# KiCad board OSO-SWAT-C1-rounded.kicad_pcb
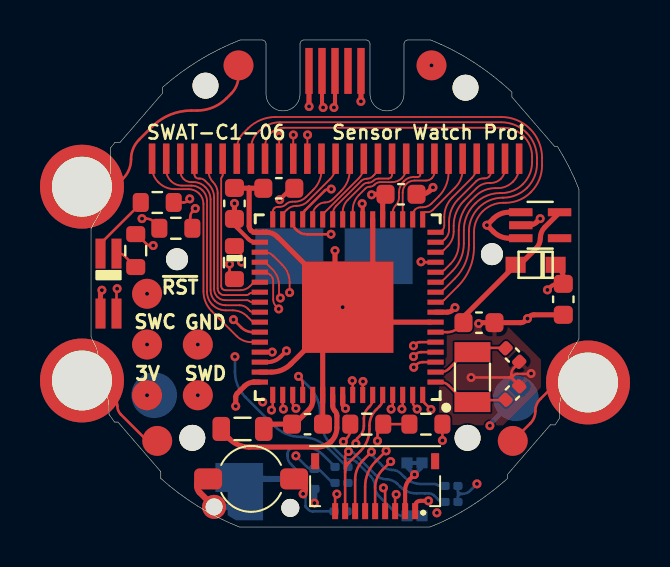
[diagram p0: board, top side]
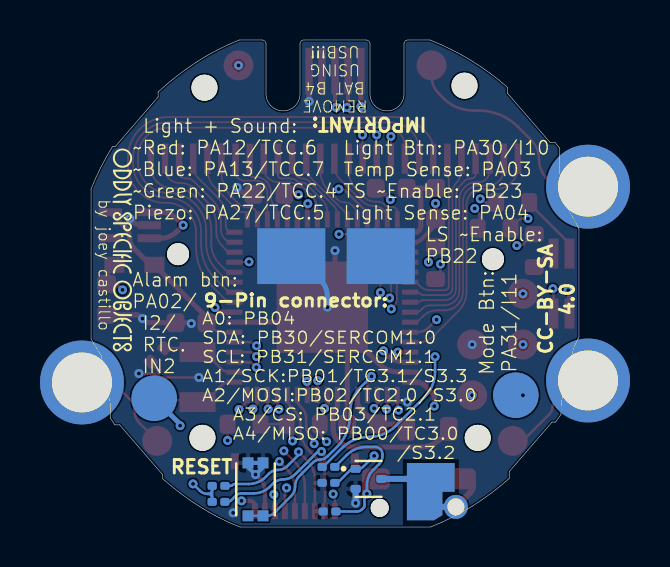
[diagram p1: board, bottom side, seen from below]

Outline 24.4 x 24.38 mm; copper layers: Top, In1.Cu, In2.Cu, Bottom. Coordinates in mm from the lower left corner of the outline.
Stack: Top 0.035mm / dielectric 0.15mm FR4 er 4.5 / In1.Cu 0.035mm / dielectric 0.15mm FR4 er 4.5 / In2.Cu 0.035mm / dielectric 0.15mm FR4 er 4.5 / Bottom 0.035mm

## Placement (name value [footprint] x y rotation side)
C1  10uF  [C_0603_1608Metric]  23.62 11.4 270 top
C2  0.1uF  [C_0201_0603Metric]  12.47 0.78 0 bottom
C3  0.1uF  [C_0603_1608Metric]  7.17 16.2 90 top
C4  0.1uF  [C_0603_1608Metric]  15.5 16.66 0 top
C5  1uF  [C_0603_1608Metric]  10.82 5.15 0 top
C6  1uF  [C_0603_1608Metric]  9.39 16.96 180 top
C7  22pf  [C_0402_1005Metric]  21.07 6.71 45 top
C8  22pf  [C_0402_1005Metric]  21.07 8.61 315 top
C9  1uF  [C_0603_1608Metric]  19.4 10.23 0 top
D1  SCHOTTKY  [SOD-323F]  22.23 13.13 0 top
D2  QBLP655-RGB  [LED_QBLP655_RGB]  0.87 12.19 90 top
G***  -  [LOGO]  22.83 13.85 270 bottom
J1  OSO_SWD  [OSO_SWD_2x3]  4.07 9.14 0 top
J2  FH19C-9S-0.5SH_10_  [FH19C9S05SH10]  14.21 3.3 180 top
L1  10uH  [L_0805_2012Metric]  7.57 4.91 180 top
L2  14 mH  [ELT3KN]  8 2.41 0 top
Q1  Q_Photo_NPN  [R_0603_1608Metric]  7.17 13.24 270 top
Q2  Q_NMOS_GSD  [SOT-523]  10.52 2.41 180 bottom
R1  10K  [R_0201_0603Metric]  12.52 3.01 0 bottom
R2  10K  [R_0201_0603Metric]  12.52 2.21 0 bottom
R3  10K  [R_0201_0603Metric]  18.02 1.26 180 bottom
R4  10K  [R_0201_0603Metric]  18.02 2.06 180 bottom
R6  1K  [R_0603_1608Metric]  2.23 13.84 270 top
R7  100  [R_0603_1608Metric]  3.31 16.25 180 top
R8  100  [R_0603_1608Metric]  4.24 14.95 180 top
R10  10K THERM  [R_0603_1608Metric]  16.75 5.15 180 top
R11  10K 0.1%  [R_0603_1608Metric]  13.79 5.15 180 top
RESET0  EVP-BB1AAB000  [SW_EVP-BB1AAB000]  16.17 1.89 270 bottom
TP1  MICROBUILDER_TESTPOINTROUND1.5MM  [MICROBUILDER_TESTPOINT_ROUND_1.5MM]  17.03 23.11 0 top
TP8  MICROBUILDER_TESTPOINTROUND1.5MM  [MICROBUILDER_TESTPOINT_ROUND_1.5MM]  7.37 23.11 180 top
TP9  MICROBUILDER_TESTPOINTROUND1.5MM  [MICROBUILDER_TESTPOINT_ROUND_1.5MM]  3.31 4.31 180 top
TP10  MICROBUILDER_TESTPOINTROUND1.5MM  [MICROBUILDER_TESTPOINT_ROUND_1.5MM]  21.09 4.31 180 top
U1  ATSAML22J18A-MUT  [QFN64_9X9MC_MCH]  12.84 11 180 top
U2  MIC5365-3.3YC5-TR  [SOT65P210X110-5N]  22.46 15.11 0 top
U$2  SENSOR-WATCH-USB  [CASIO-F91W-OUTLINE-USB]  12.2 12.19 0 top
X1  Crystal  [Crystal_SMD_3215-2Pin_3.2x1.5mm]  19.07 7.5 90 top

## Library data of the parts
Q2 = -: Description: N-MOSFET transistor, gate/source/drain
R2 = -: Description: Resistor; ki_fp_filters: R_*
X1 = -: ki_fp_filters: Crystal*

## Footprints (pads in the part's own frame, mm; a bottom-side part is the same pattern mirrored in y, then rotated)
C_0201_0603Metric
  rrect 0.318x0.36 smd: (-0.345,0) (0.345,0)
  rrect 0.46x0.4 smd: 1(-0.32,0) 2(0.32,0)
C_0402_1005Metric
  rrect 0.56x0.62 smd: 1(-0.48,0) 2(0.48,0)
C_0603_1608Metric
  rrect 0.9x0.95 smd: 1(-0.775,0) 2(0.775,0)
CASIO-F91W-OUTLINE-USB
  round 1.1 hole 1.1 unplated: (-7.899,1.219) (7.849,1.473)
  round 1.3 hole 1.3 unplated: (-7.137,-7.722) (-6.477,9.906) (6.528,9.804) (6.629,-7.722)
  round 0.9 hole 0.9 unplated: (-2.235,-11.227)
  rect 0.326x1.52 smd: 1(-9.148,6.25) 2(-8.442,6.25) 3(-7.736,6.25) 4(-7.03,6.25) 5(-6.324,6.25) 6(-5.618,6.25) 7(-4.912,6.25) 8(-4.206,6.25) 9(-3.5,6.25) 10(-2.794,6.25) 11(-2.088,6.25) 12(-1.382,6.25) 13(-0.676,6.25) 14(0.03,6.25) 15(0.736,6.25) 16(1.442,6.25) 17(2.148,6.25) 18(2.854,6.25) 19(3.56,6.25) 20(4.266,6.25) 21(4.972,6.25) 22(5.678,6.25) 23(6.384,6.25) 24(7.09,6.25) 25(7.796,6.25) 26(8.502,6.25) 27(9.208,6.25)
  round 4.2 hole 3: ALARM(12.654,-4.95) LIGHT(-12.654,4.85) MODE(-12.654,-4.85)
  round 1.2 hole 0.85: BUZZER(-6.045,-11.176)
  rect 0.37x2.3 smd: GND(1.3,10.644) USB_ID(0.65,10.644) USB_N(-0.65,10.644) USB_P(0,10.644) VBUS(-1.3,10.644)
  rect 3.404x2.794 smd far side: GND1(-2.286,1.372) GND2(2.184,1.372)
  rrect 2.286x2.286 smd far side: VCC1(-9.042,-5.588) VCC2(9.042,-5.74)
Crystal_SMD_3215-2Pin_3.2x1.5mm
  rect 1x1.8 smd: 1(1.25,0) 2(-1.25,0)
ELT3KN
  rrect 1.4x1.05 smd: 1(-2.15,0) 2(2.15,0)
FH19C9S05SH10
  rect 0.3x0.8 smd: 1(-2,2.5) 2(-1.5,2.5) 3(-1,2.5) 4(-0.5,2.5) 5(0,2.5) 6(0.5,2.5) 7(1,2.5) 8(1.5,2.5) 9(2,2.5)
  rect 0.4x0.8 smd: MP1(-3,0) MP2(3,0)
L_0805_2012Metric
  rrect 0.875x1.2 smd: 1(-1.062,0) 2(1.062,0)
LED_QBLP655_RGB
  rect 1.5x0.5 smd: 1(1.5,0.4) 2(-1.5,0.4) 3(-1.5,-0.4) 4(1.5,-0.4)
MICROBUILDER_TESTPOINT_ROUND_1.5MM
  rrect 1.5x1.5 smd: P$1(0,0)
OSO_SWD_2x3
  round 1.5 smd: 1(1.27,-2.54) 2(1.27,0) 3(-1.27,-2.54) 4(-1.27,0) 5(-1.27,2.54)
QFN64_9X9MC_MCH
  rect 0.813x0.254 smd: 1(-4.394,3.75) 2(-4.394,3.25) 3(-4.394,2.75) 4(-4.394,2.25) 5(-4.394,1.75) 6(-4.394,1.25) 7(-4.394,0.75) 8(-4.394,0.25) 9(-4.394,-0.25) 10(-4.394,-0.75) 11(-4.394,-1.25) 12(-4.394,-1.75) 13(-4.394,-2.25) 14(-4.394,-2.75) 15(-4.394,-3.25) 16(-4.394,-3.75) 33(4.394,-3.75) 34(4.394,-3.25) 35(4.394,-2.75) 36(4.394,-2.25) 37(4.394,-1.75) 38(4.394,-1.25) 39(4.394,-0.75) 40(4.394,-0.25) 41(4.394,0.25) 42(4.394,0.75) 43(4.394,1.25) 44(4.394,1.75) 45(4.394,2.25) 46(4.394,2.75) 47(4.394,3.25) 48(4.394,3.75)
  rect 0.254x0.813 smd: 17(-3.75,-4.394) 18(-3.25,-4.394) 19(-2.75,-4.394) 20(-2.25,-4.394) 21(-1.75,-4.394) 22(-1.25,-4.394) 23(-0.75,-4.394) 24(-0.25,-4.394) 25(0.25,-4.394) 26(0.75,-4.394) 27(1.25,-4.394) 28(1.75,-4.394) 29(2.25,-4.394) 30(2.75,-4.394) 31(3.25,-4.394) 32(3.75,-4.394) 49(3.75,4.394) 50(3.25,4.394) 51(2.75,4.394) 52(2.25,4.394) 53(1.75,4.394) 54(1.25,4.394) 55(0.75,4.394) 56(0.25,4.394) 57(-0.25,4.394) 58(-0.75,4.394) 59(-1.25,4.394) 60(-1.75,4.394) 61(-2.25,4.394) 62(-2.75,4.394) 63(-3.25,4.394) 64(-3.75,4.394)
  rect 4.572x4.572 smd: 65(0,0)
R_0201_0603Metric
  rrect 0.318x0.36 smd: (-0.345,0) (0.345,0)
  rrect 0.46x0.4 smd: 1(-0.32,0) 2(0.32,0)
R_0603_1608Metric
  rrect 0.8x0.95 smd: 1(-0.825,0) 2(0.825,0)
SOD-323F
  rect 1x0.8 smd: A(-1,0) C(1,0)
SOT65P210X110-5N
  rect 1.17x0.4 smd: 1(-0.97,0.65) 2(-0.97,0) 3(-0.97,-0.65) 4(0.97,-0.65) 5(0.97,0.65)
SOT-523
  rrect 0.51x0.4 smd: 1(-0.645,0.5) 2(-0.645,-0.5) 3(0.645,0)
SW_EVP-BB1AAB000
  rect 0.55x0.55 smd: A1(-1.325,0.375) A2(-1.325,-0.375) B1(1.325,0.375) B2(1.325,-0.375)

## Nets
+3V3: C9.1 D1.A U1.6 U2.5
/VDDCORE: C5.1 L1.1 U1.53
/VDDOUT: L1.2 U1.55
GND: C1.2 C2.2 C3.2 C4.2 C5.2 C6.2 C7.2 C8.2 C9.2 J1.2 J2.2 Q2.2 R2.2 RESET0.A1 RESET0.A2 U1.7 U1.22 U1.33 U1.47 U1.54 U1.65 U2.2 U$2.GND U$2.GND1 U$2.GND2
VBUS: U2.1 U2.3 U$2.VBUS
VCC: C1.1 C2.1 C3.1 C4.1 D1.C D2.2 J1.3 J2.1 L2.2 R1.1 R3.1 R4.1 R10.1 U1.8 U1.21 U1.34 U1.48 U1.56 U$2.VCC1 U$2.VCC2
/A0: J2.9 U1.5
/A1_SCK: J2.6 U1.62
/A2_MOSI: J2.5 U1.63
/A3/D0/CS: J2.4 U1.64
/A4/D1/MISO: J2.3 U1.61
/ALARM: TP10.P$1 U1.3 U$2.ALARM
/BUZZER: Q2.1 R2.1 U1.51
/BUZZER_HV: L2.1 Q2.3 U$2.BUZZER
/COM0: U1.9 U$2.7
/COM1: U1.10 U$2.8
/COM2: U1.11 U$2.9
/LIGHTSENSE: Q1.1 R1.2 U1.13
/SCL: J2.8 R3.2 U1.60
/SDA: J2.7 R4.2 U1.59
/SEG0: U1.12 U$2.27
/SEG1: U1.14 U$2.26
/SEG2: U1.15 U$2.25
/SEG3: U1.16 U$2.24
/SEG4: U1.17 U$2.23
/SEG5: U1.18 U$2.22
/SEG6: U1.19 U$2.21
/SEG7: U1.20 U$2.20
/SEG8: U1.24 U$2.19
/SEG9: U1.25 U$2.18
/SEG10: U1.26 U$2.17
/SEG11: U1.27 U$2.16
/SEG12: U1.28 U$2.15
/SEG13: U1.31 U$2.14
/SEG14: U1.32 U$2.13
/SEG15: U1.35 U$2.12
/SEG16: U1.36 U$2.11
/SEG17: U1.37 U$2.10
/SEG18: U1.38 U$2.6
/SEG19: U1.39 U$2.5
/SEG20: U1.40 U$2.4
/SEG21: U1.41 U$2.3
/SEG22: U1.42 U$2.2
/SEG23: U1.44 U$2.1
/SWCLK_LIGHT: J1.4 TP8.P$1 U1.57 U$2.LIGHT
/SWDIO_MODE: J1.1 TP9.P$1 U1.58 U$2.MODE
/TEMPSENSE: R10.2 R11.1 U1.4
/USB_N: U1.45 U$2.USB_N
/USB_P: U1.46 U$2.USB_P
/VLCD: C6.1 TP1.P$1 U1.23
/XIN32: C7.1 U1.1 X1.2
/XOUT32: C8.1 U1.2 X1.1
/~{BLUE}: R8.1 U1.30
/~{GREEN}: R6.1 U1.43
/~{LS_ENABLE}: Q1.2 U1.49
/~{RED}: R7.1 U1.29
/~{RESET}: J1.5 RESET0.B1 RESET0.B2 U1.52
/~{TS_ENABLE}: R11.2 U1.50
Net-(D2A-CR): D2.1 R7.2
Net-(D2B-CG): D2.4 R6.2
Net-(D2C-CB): D2.3 R8.2

Pads without a net: J2 MP1 MP2; U2 4; U$2 USB_ID

## Via types
v1: diameter 0.45, hole 0.2, Top to Bottom, 81 vias

## Routing (per net, layer and track width the routed paths; a pad name or vN(x,y) marks a point on that pad's centre or on a via; arc(x,y) is an arc through that point)
+3V3: length 9.3
  Top w0.127: U1.6 17.81,9.75 arc(18.12,9.82) 18.39,9.99 18.53,10.13
  Top w0.254: 18.46,10.47 18.46,10.23 ; U2.5 23.43,15.75 arc(23.43,15.75) 23.43,15.74 22.69,15.01 arc(22.53,14.76) 22.47,14.47 arc(22.41,14.18) 22.25,13.94 21.51,13.2 arc(21.43,13.14) 21.34,13.13 21.24,13.13 arc(21.23,13.12) 21.23,13.12 arc(21.23,13.12) 21.23,13.12 18.72,10.61 arc(18.65,10.5) 18.62,10.37 arc(18.6,10.24) 18.53,10.13
/VDDCORE: length 3.4
  Top w0.254: U1.53 11.09,6.34 arc(11.03,6.08) 10.89,5.87 10.22,5.19 arc(10.17,5.16) 10.11,5.15 9.05,5.15 arc(8.89,5.12) 8.76,5.03 L1.1
/VDDOUT: length 8.3
  Top w0.254: 6.51,4.82 6.92,4.41 arc(7.37,4.11) 7.9,4 11.32,4 arc(11.7,4.08) 12.01,4.29 arc(12.22,4.6) 12.29,4.97 12.29,5.57 arc(12.27,5.7) 12.19,5.82 arc(12.11,5.94) 12.09,6.07 U1.55
GND: length 59.2
  Top w0.127: v1(19.01,7.49) 20.67,7.49 ; 21.43,8.25 21.14,7.96 arc(21.05,7.82) 21.02,7.66 21.02,7.61 ; 21.11,7.4 21.43,7.07 ; 21.11,7.4 arc(21.07,7.49) 21.11,7.58 ; 21.11,7.4 arc(21.01,7.46) 20.89,7.49 ; 21.02,7.61 arc(21.05,7.56) 21.11,7.58 ; 21.02,7.61 arc(20.98,7.52) 20.89,7.49 ; 20.89,7.49 20.71,7.49 ; v1(22.01,7.68) 22,7.67 arc(21.99,7.67) 21.97,7.66 21.32,7.66 arc(21.2,7.64) 21.11,7.58
  Top w0.203: J2.2 15.71,1.83 arc(15.77,2.13) 15.94,2.39 v1(16.17,2.63)
  Top w0.254: U$2.GND 13.5,21.31 arc(13.5,21.31) 13.5,21.31 v1(13.5,21.3) ; v1(12.58,11) 13.83,12.25 ; v1(12.58,11) 12.96,10.63 arc(13.37,10.35) 13.86,10.25 16.98,10.25 ; v1(12.58,11) 12.58,10.88 arc(12.56,10.76) 12.49,10.66 9.99,8.16 arc(9.54,7.86) 9.01,7.75 U1.47 ; v1(12.58,11) 12.58,11.13 arc(12.56,11.25) 12.49,11.36 9.32,14.53 arc(9.07,14.7) 8.77,14.75 8.22,14.75 arc(8.1,14.78) 8,14.85 arc(7.93,14.95) 7.91,15.06 7.91,16.95 arc(7.91,16.95) 7.9,16.96 ; v1(12.58,11) 12.08,10.51 arc(11.71,9.96) 11.59,9.3 U1.54 11.59,5.18 arc(11.59,5.17) 11.59,5.16 C5.2 ; v1(22.46,15.44) 22.3,15.27 arc(22.11,15.15) 21.9,15.11 U2.2 ; U1.22 14.09,13.14 arc(13.92,12.32) 13.46,11.63 13.15,11.32 ; 13.15,11.32 12.52,10.69 ; 13.15,11.32 arc(12.84,11.19) 12.52,11.32 ; 12.52,10.69 11.59,9.75 ; 12.52,10.69 arc(12.65,11) 12.52,11.32 ; 7.89,16.96 7.17,16.96 ; 7.89,16.96 7.9,16.96 ; 7.89,16.96 arc(7.9,16.96) 7.9,16.96 ; v1(12.2,13.84) 12.2,12.09 arc(12.28,11.67) 12.52,11.32 ; 7.9,16.96 8.16,16.96 ; 7.9,16.96 arc(7.9,16.96) 7.9,16.96 ; C1.2 22.15,10.62 arc(22.03,10.6) 21.92,10.53 v1(21.83,10.43) 21.73,10.33 arc(21.61,10.26) 21.48,10.23 19.46,10.23 arc(19.43,10.22) 19.41,10.21 v1(19.39,10.19) ; 16.26,16.66 16.51,16.66 arc(16.74,16.7) 16.93,16.83 v1(17.1,17)
  Bottom w0.127: 12.84,0.83 C2.2
  Bottom w0.203: 15.9,3.21 16.45,3.21 arc(16.52,3.18) 16.55,3.11 arc(16.53,3.01) 16.48,2.93 v1(16.17,2.63) 15.87,2.93 arc(15.82,3.01) 15.8,3.11 arc(15.83,3.18) 15.9,3.21
  Bottom w0.254: U$2.GND2 14.24,13.56 arc(14.12,13.53) 14.01,13.46 12.94,12.4 arc(12.68,11.99) 12.58,11.52 v1(12.58,11)
  Bottom w0.305: v1(11.17,1.2) Q2.2
  vias: v1(5.34,9.14) v1(8.58,6.26) v1(17.29,0.71)
VBUS: length 17.1
  Top w0.254: v1(10.9,21.05) 10.9,21.05 arc(10.9,21.06) 10.9,21.06 U$2.VBUS ; U2.3 20.91,14.46 arc(20.48,14.54) 20.12,14.78 v1(19.79,15.11) 20.12,15.43 arc(20.48,15.67) 20.9,15.76 U2.1
  In1.Cu w0.254: v1(10.9,21.05) 10.9,20.94 arc(10.93,20.83) 10.99,20.74 11.56,20.17 arc(12.28,19.68) 13.14,19.51 14.12,19.51 arc(15.89,19.16) 17.38,18.16 19.57,15.98 arc(19.74,15.73) 19.79,15.43 v1(19.79,15.11)
VCC: length 26.5
  Top w0.127: v1(17.57,4.34) R10.1
  Top w0.203: C1.1 23.34,12.17 arc(23.14,12.13) 22.98,12.02 v1(22.82,11.87) ; J2.1 16.21,1.05 arc(16.28,1.23) 16.46,1.31 v1(16.87,1.31) ; U1.34 8.23,14.25 arc(8.04,14.29) 7.88,14.4 7.28,15 arc(7.2,15.12) 7.17,15.27
  Top w0.254: v1(12.72,5.94) 12.65,6.01 arc(12.6,6.08) 12.59,6.17 U1.56 ; U1.48 8.16,7.25 arc(7.9,7.2) 7.68,7.06 7.31,6.69 arc(7.25,6.6) 7.23,6.5 v1(7.23,6.05) ; 7.17,15.27 v1(7.17,16.2) ; 23.62,12.22 23.62,12.48 arc(23.57,12.72) 23.43,12.92 D1.C ; U1.21 14.59,16.41 arc(14.6,16.51) 14.66,16.59 C4.1 ; D2.2 0.47,11.74 arc(0.48,11.78) 0.51,11.82 v1(0.54,11.86) ; 10.15,2.31 10.15,2.36 arc(10.17,2.4) 10.2,2.41 10.62,2.41 arc(10.66,2.4) 10.69,2.38 arc(10.72,2.35) 10.72,2.31 10.72,1.87 arc(10.71,1.79) 10.66,1.72 v1(10.6,1.66) ; 14.74,16.66 14.07,16.66 arc(14.06,16.65) 14.04,16.64 v1(14.03,16.63) ; v1(18.2,10.99) 18.08,10.87 arc(17.96,10.78) 17.81,10.75 U1.8 ; 3.16,6.6 U$2.VCC1
  Bottom w0.127: 18.34,1.86 18.34,2.09 ; 18.34,1.86 18.34,1.46 ; 18.34,1.86 arc(18.4,1.72) 18.54,1.66 ; 18.34,1.46 R3.1 ; 18.34,1.46 arc(18.4,1.6) 18.54,1.66 ; R1.1 11.61,3.6 arc(11.16,3.9) 10.62,4.01 10.2,4.01 arc(10.06,3.98) 9.93,3.9 arc(9.85,3.78) 9.82,3.64 9.82,3.56 arc(9.87,3.34) 9.99,3.15 10.29,2.85 arc(10.52,2.51) 10.6,2.1 v1(10.6,1.66) 10.66,1.6 arc(10.71,1.53) 10.72,1.46 10.72,1.05 arc(10.73,1.02) 10.75,0.99 10.87,0.87 arc(10.97,0.8) 11.09,0.78 C2.1 ; 18.54,1.66 18.57,1.66 arc(18.78,1.7) 18.96,1.82 v1(19.3,2.16)
  Bottom w0.254: U$2.VCC2 19.97,5.18 arc(19.95,5.15) 19.95,5.11 v1(19.95,5.07) ; v1(2.8,6.6) 2.8,6.6
/A0: length 10.5
  Top w0.127: v1(16.12,9.07) 16.21,9.16 arc(16.32,9.23) 16.44,9.25 16.98,9.25 ; J2.9 12.21,1.5 arc(12.22,1.56) 12.25,1.61 v1(12.29,1.65)
  In1.Cu w0.127: v1(12.29,1.65) 12.71,2.07 arc(12.89,2.34) 12.95,2.66 arc(13.02,2.97) 13.2,3.24 13.29,3.33 arc(13.53,3.7) 13.62,4.14 13.62,5.15 arc(13.84,6.24) 14.45,7.17 15.21,7.92 arc(15.27,8.01) 15.29,8.12 arc(15.31,8.23) 15.37,8.32 v1(16.12,9.07)
/A1_SCK: length 6.4
  Top w0.127: v1(14.76,3.81) 14.23,3.29 arc(13.84,2.7) 13.71,2.02 J2.6 ; v1(15.54,5.91) 15.56,5.93 arc(15.58,5.95) 15.59,5.98 U1.62
  In1.Cu w0.127: v1(14.76,3.81) 14.76,3.89 arc(14.77,3.96) 14.81,4.02 15.15,4.36 arc(15.44,4.79) 15.54,5.31 v1(15.54,5.91)
/A2_MOSI: length 6.6
  Top w0.127: U1.63 16.09,6.28 arc(16.11,6.14) 16.2,6.01 v1(16.31,5.9) ; v1(14.99,3.28) 14.6,2.89 arc(14.31,2.46) 14.21,1.95 J2.5
  In1.Cu w0.127: v1(14.99,3.28) 15.85,4.14 arc(16.19,4.65) 16.31,5.25 v1(16.31,5.9)
/A3/D0/CS: length 7.1
  Top w0.127: v1(14.62,1.96) 14.67,1.92 arc(14.7,1.87) 14.71,1.82 J2.4 ; U1.64 16.59,6.46 arc(16.61,6.31) 16.69,6.19 v1(17,5.89)
  In1.Cu w0.127: v1(17,5.89) 17.11,5.77 arc(17.2,5.65) 17.23,5.5 17.23,5.13 arc(17.13,4.65) 16.85,4.24 14.64,2.02 arc(14.63,2.01) 14.62,1.98 v1(14.62,1.96)
/A4/D1/MISO: length 6
  Top w0.127: J2.3 15.21,1.54 arc(15.21,1.58) 15.23,1.61 v1(15.26,1.63) ; U1.61 15.09,6.04 arc(15.07,5.98) 15.05,5.94 v1(15.01,5.9)
  In2.Cu w0.127: v1(15.26,1.63) 15.35,1.72 arc(15.42,1.82) 15.44,1.94 15.44,3.45 arc(15.39,3.74) 15.22,3.98 arc(15.06,4.22) 15.01,4.51 v1(15.01,5.9)
/ALARM: length 12.9
  Top w0.127: 23.54,7.48 22.47,6.41 arc(22.29,6.13) 22.22,5.8 arc(22.15,5.47) 21.97,5.19 TP10.P$1 ; 16.98,8.25 16.58,8.25 arc(16.41,8.22) 16.27,8.12 v1(16.14,7.99)
  In2.Cu w0.127: v1(16.14,7.99) 19.26,7.99 arc(19.89,7.87) 20.43,7.51 arc(20.96,7.16) 21.59,7.03 22.77,7.03 arc(23.07,7.09) 23.32,7.26 23.54,7.48
/BUZZER: length 5.6
  Top w0.127: v1(10.24,5.94) 10.16,6.02 arc(10.11,6.11) 10.09,6.21 U1.51
  In1.Cu w0.127: v1(10.24,3.56) v1(10.24,5.94)
  Bottom w0.127: v1(10.24,3.56) 10.8,3.01 arc(10.91,2.94) 11.03,2.91 11.27,2.91 arc(11.37,2.89) 11.45,2.84 12.03,2.26 arc(12.08,2.22) 12.14,2.21 R2.1
/BUZZER_HV: length 7
  Top w0.305: L2.1 5.61,2.41 arc(5.49,2.39) 5.39,2.32 arc(5.33,2.22) 5.3,2.1 5.3,2.05 arc(5.34,1.87) 5.44,1.73 U$2.BUZZER
  Bottom w0.305: Q2.3 8.66,2.41 arc(8.18,2.21) 7.97,1.72 7.97,1.03 ; 8,1.01 U$2.BUZZER
/COM0: length 27.8
  Top w0.089: U1.9 17.39,11.25 arc(17.54,11.28) 17.66,11.37 18.35,12.06 arc(18.94,12.94) 19.15,13.99 19.15,14.76 arc(19.26,15.32) 19.58,15.8 arc(20.06,16.12) 20.62,16.23 20.74,16.23 arc(21.41,16.36) 21.97,16.74 22.01,16.78 arc(22.41,17.38) 22.55,18.1 22.55,18.49 arc(22.4,19.27) 21.96,19.93 arc(21.3,20.37) 20.52,20.52 9.22,20.52 arc(8.48,20.38) 7.86,19.96 7.63,19.73 arc(7.38,19.35) 7.29,18.91 U$2.7
/COM1: length 25.9
  Top w0.089: U$2.8 7.99,18.92 arc(8.08,19.37) 8.34,19.75 8.42,19.84 arc(8.89,20.15) 9.45,20.26 20.52,20.26 arc(21.2,20.12) 21.78,19.74 arc(22.16,19.16) 22.3,18.48 22.3,18.18 arc(22.17,17.53) 21.81,16.98 arc(21.26,16.61) 20.61,16.49 20.59,16.49 arc(19.94,16.36) 19.39,15.99 arc(19.03,15.44) 18.9,14.79 18.9,14.12 arc(18.72,13.22) 18.2,12.45 17.61,11.85 arc(17.5,11.78) 17.37,11.75 U1.10
/COM2: length 24.2
  Top w0.089: U$2.9 8.7,19.04 arc(8.77,19.4) 8.98,19.71 arc(9.29,19.91) 9.65,19.99 20.62,19.99 arc(21.17,19.88) 21.63,19.56 arc(21.95,19.1) 22.06,18.55 22.06,18.26 arc(21.94,17.67) 21.6,17.17 arc(21.1,16.83) 20.51,16.71 20.44,16.71 arc(19.79,16.58) 19.24,16.21 19.19,16.17 arc(18.78,15.56) 18.64,14.85 18.64,14.19 arc(18.5,13.45) 18.08,12.82 17.61,12.35 arc(17.5,12.28) 17.37,12.25 U1.11
/LIGHTSENSE: length 24.5
  Top w0.127: v1(7.52,13.26) 7.52,13.48 arc(7.48,13.69) 7.37,13.86 Q1.1 ; U1.13 16.54,13.25 arc(16.52,13.26) 16.51,13.27 v1(16.5,13.28)
  Top w0.254: 7.2,14.25 7.17,14.23
  In1.Cu w0.127: v1(7.2,8.53) 7.6,8.93 arc(7.9,9.38) 8.01,9.92 8.01,12.43 arc(7.95,12.75) 7.77,13.02 v1(7.52,13.26) 7.57,13.31 arc(7.62,13.34) 7.68,13.35 16.37,13.35 arc(16.42,13.34) 16.46,13.32 v1(16.5,13.28)
  Bottom w0.127: R1.2 12.82,3.01 arc(12.8,3.01) 12.78,3.03 11.85,3.95 arc(11.23,4.37) 10.5,4.51 arc(9.77,4.66) 9.15,5.07 7.73,6.5 arc(7.33,7.08) 7.2,7.78 v1(7.2,8.53)
/SCL: length 13.5
  Top w0.127: 12.71,2.75 J2.8 ; 12.71,2.75 12.71,3.33 ; 12.71,2.75 arc(12.76,3.02) 12.91,3.24 ; 12.91,3.24 13.47,3.8 arc(13.81,4.31) 13.92,4.9 13.92,5.07 arc(14.01,5.5) 14.25,5.87 14.44,6.06 arc(14.55,6.22) 14.59,6.41 U1.60 ; 12.91,3.24 arc(12.78,3.22) 12.71,3.33 ; 12.71,3.33 12.71,3.49 arc(12.73,3.6) 12.79,3.7 v1(12.88,3.78)
  Bottom w0.127: R3.2 17.59,1.26 arc(17.48,1.28) 17.39,1.34 17.16,1.57 arc(17.03,1.66) 16.88,1.69 16.72,1.69 arc(16.72,1.69) 16.72,1.69 arc(16.72,1.69) 16.71,1.69 16.26,1.69 arc(15.83,1.77) 15.47,2.01 15.32,2.16 arc(15.06,2.33) 14.77,2.39 arc(14.47,2.45) 14.22,2.62 13.12,3.72 arc(13.05,3.77) 12.96,3.78 v1(12.88,3.78)
/SDA: length 11.2
  Top w0.127: v1(14.02,3.76) 13.61,3.35 arc(13.31,2.9) 13.21,2.37 J2.7 ; U1.59 14.09,6.4 arc(14.05,6.21) 13.94,6.04 13.86,5.97 arc(13.7,5.73) 13.64,5.44 13.64,5.05 arc(13.59,4.79) 13.44,4.56 13.31,4.43 arc(13.26,4.36) 13.24,4.27 v1(13.24,4.18)
  In2.Cu w0.127: v1(14.02,3.76) 13.93,3.76 arc(13.85,3.78) 13.79,3.82 13.5,4.11 arc(13.43,4.16) 13.34,4.18 v1(13.24,4.18)
  Bottom w0.127: v1(14.02,3.76) 14.02,3.69 arc(14.04,3.62) 14.08,3.56 14.58,3.05 arc(14.8,2.91) 15.04,2.86 arc(15.29,2.81) 15.51,2.67 15.67,2.51 arc(16.06,2.25) 16.52,2.15 17.21,2.15 arc(17.27,2.14) 17.32,2.11 arc(17.37,2.07) 17.43,2.06 R4.2
/SEG0: length 8
  Top w0.089: U1.12 17.39,12.75 arc(17.55,12.79) 17.68,12.87 17.97,13.17 arc(18.28,13.63) 18.39,14.17 18.39,14.85 arc(18.55,15.66) 19.01,16.34 19.22,16.56 arc(19.67,16.86) 20.2,16.96 20.33,16.96 arc(20.74,17.04) 21.09,17.28 21.11,17.3 arc(21.33,17.63) 21.41,18.01 U$2.27
/SEG1: length 6.5
  Top w0.089: U1.14 17.38,13.75 arc(17.52,13.78) 17.64,13.86 17.83,14.06 arc(18.06,14.39) 18.13,14.79 18.13,15.09 arc(18.27,15.76) 18.65,16.33 19.28,16.96 arc(19.57,17.15) 19.91,17.22 19.99,17.22 arc(20.26,17.28) 20.49,17.43 arc(20.65,17.66) 20.7,17.93 U$2.26
/SEG2: length 5.6
  Top w0.089: U1.15 17.38,14.25 arc(17.53,14.28) 17.65,14.36 17.72,14.44 arc(17.86,14.64) 17.91,14.88 17.91,15.29 arc(18.03,15.9) 18.38,16.42 19.26,17.31 arc(19.42,17.41) 19.61,17.45 19.69,17.45 arc(19.81,17.47) 19.91,17.54 arc(19.97,17.64) 20,17.76 U$2.25
/SEG3: length 4.6
  Top w0.089: U$2.24 19.29,18.08 arc(19.22,17.74) 19.04,17.46 18.07,16.5 arc(17.77,16.05) 17.66,15.52 17.66,15.09 arc(17.64,14.96) 17.57,14.85 17.55,14.84 arc(17.46,14.78) 17.35,14.75 U1.16
/SEG4: length 4
  Top w0.089: U$2.23 18.58,17.9 arc(18.49,17.41) 18.21,16.99 17.09,15.87 arc(16.97,15.79) 16.83,15.76 16.74,15.76 arc(16.68,15.75) 16.63,15.72 arc(16.6,15.67) 16.59,15.61 U1.17
/SEG5: length 4
  Top w0.089: U1.18 16.09,15.61 arc(16.12,15.76) 16.2,15.89 arc(16.33,15.97) 16.48,16 16.58,16 arc(16.82,16.05) 17.02,16.19 17.39,16.55 arc(17.75,17.09) 17.88,17.74 U$2.22
/SEG6: length 4.2
  Top w0.089: U$2.21 17.17,17.76 arc(17.14,17.6) 17.05,17.47 arc(16.91,17.37) 16.75,17.34 16.18,17.34 arc(15.95,17.3) 15.76,17.17 arc(15.63,16.97) 15.59,16.75 U1.19
/SEG7: length 3.8
  Top w0.089: U1.20 15.09,15.73 arc(15.13,15.94) 15.24,16.11 arc(15.36,16.28) 15.4,16.49 15.4,16.74 arc(15.46,17.04) 15.63,17.29 15.66,17.33 arc(15.87,17.47) 16.12,17.52 16.34,17.52 arc(16.39,17.53) 16.43,17.56 arc(16.46,17.6) 16.47,17.65 U$2.20
/SEG8: length 4.8
  Top w0.089: U1.24 13.09,15.85 arc(13.17,16.27) 13.41,16.63 13.72,16.94 arc(13.82,17.01) 13.94,17.04 arc(14.07,17.06) 14.17,17.13 14.19,17.15 arc(14.32,17.23) 14.47,17.26 15.06,17.26 arc(15.33,17.32) 15.55,17.47 arc(15.71,17.7) 15.76,17.97 U$2.19
/SEG9: length 4.6
  Top w0.089: U1.25 12.59,15.76 arc(12.65,16.09) 12.84,16.38 13.59,17.12 arc(13.71,17.21) 13.86,17.24 13.88,17.24 arc(14.01,17.26) 14.13,17.34 arc(14.24,17.41) 14.38,17.44 14.86,17.44 arc(14.93,17.46) 15,17.5 arc(15.04,17.56) 15.05,17.63 U$2.18
/SEG10: length 4.1
  Top w0.089: U$2.17 14.35,18.08 arc(14.3,17.83) 14.16,17.62 14.1,17.56 arc(13.96,17.47) 13.8,17.44 arc(13.63,17.4) 13.5,17.31 12.26,16.08 arc(12.13,15.88) 12.09,15.65 U1.26
/SEG11: length 3.8
  Top w0.089: U1.27 11.59,15.53 arc(11.61,15.64) 11.67,15.74 13.39,17.45 arc(13.58,17.74) 13.64,18.07 U$2.16
/SEG12: length 3.9
  Top w0.089: U$2.15 12.94,17.85 arc(12.83,17.3) 12.52,16.84 12.09,16.41 arc(11.91,16.29) 11.71,16.25 arc(11.5,16.21) 11.32,16.09 11.24,16.01 arc(11.13,15.83) 11.09,15.62 U1.28
/SEG13: length 4.4
  Top w0.089: U1.31 9.59,15.54 arc(9.61,15.67) 9.68,15.78 9.79,15.88 arc(10.01,16.03) 10.27,16.08 10.3,16.08 arc(10.59,16.14) 10.84,16.3 11.97,17.43 arc(12.16,17.72) 12.23,18.06 U$2.14
/SEG14: length 4.5
  Top w0.089: U$2.13 11.52,17.86 arc(11.42,17.33) 11.12,16.88 10.75,16.51 arc(10.5,16.34) 10.2,16.29 10.07,16.29 arc(9.9,16.25) 9.75,16.16 arc(9.61,16.06) 9.44,16.03 9.34,16.03 arc(9.24,16.01) 9.16,15.95 arc(9.1,15.87) 9.09,15.77 U1.32
/SEG15: length 13.2
  Top w0.089: v1(10.83,19.63) 10.82,19.62 arc(10.82,19.62) 10.82,19.61 U$2.12 ; U1.35 8.69,13.75 arc(8.91,13.71) 9.1,13.58 9.57,13.11 arc(9.84,12.72) 9.93,12.25 v1(9.93,11.74)
  In2.Cu w0.089: v1(10.83,19.63) 9.68,18.48 arc(8.83,17.21) 8.54,15.71 8.54,14.12 arc(8.72,13.21) 9.23,12.43 v1(9.93,11.74)
/SEG16: length 12.6
  Top w0.089: U$2.11 10.11,19.62 arc(10.11,19.62) 10.11,19.63 v1(10.12,19.63) ; v1(9.47,11.46) 9.43,11.5 arc(9.41,11.53) 9.4,11.58 9.4,12.09 arc(9.31,12.54) 9.06,12.91 8.82,13.16 arc(8.71,13.23) 8.58,13.25 U1.36
  In2.Cu w0.089: v1(9.47,11.46) 8.91,12.02 arc(8.5,12.63) 8.36,13.36 8.36,16.56 arc(8.59,17.71) 9.24,18.68 10.09,19.54 arc(10.11,19.57) 10.12,19.6 v1(10.12,19.63)
/SEG17: length 13
  Top w0.089: v1(9.38,10.92) 9.25,11.05 arc(9.15,11.21) 9.11,11.39 9.11,12.28 arc(9.07,12.46) 8.97,12.62 8.97,12.62 arc(8.82,12.72) 8.64,12.75 U1.37 ; v1(9.41,19.55) U$2.10
  In2.Cu w0.089: v1(9.38,10.92) 8.78,11.52 arc(8.34,12.19) 8.18,12.97 8.18,17.46 arc(8.34,18.26) 8.79,18.94 v1(9.41,19.55)
/SEG18: length 8.6
  Top w0.089: U1.38 8.29,12.25 arc(8.16,12.23) 8.05,12.15 7.95,12.05 arc(7.73,11.91) 7.46,11.85 6.72,11.85 arc(6.64,11.87) 6.57,11.92 arc(6.52,11.98) 6.51,12.07 6.51,17.44 arc(6.52,17.49) 6.54,17.53 arc(6.57,17.57) 6.58,17.62 U$2.6
/SEG19: length 9
  Top w0.089: U1.39 8.43,11.74 arc(8.41,11.73) 8.4,11.73 8.05,11.73 arc(7.97,11.71) 7.91,11.67 arc(7.84,11.62) 7.76,11.61 6.67,11.61 arc(6.54,11.63) 6.43,11.71 arc(6.36,11.82) 6.33,11.94 6.33,16.72 arc(6.27,17.01) 6.1,17.26 arc(5.94,17.52) 5.88,17.81 U$2.5
/SEG20: length 9.7
  Top w0.089: U1.40 8.04,11.25 arc(7.98,11.27) 7.92,11.3 arc(7.87,11.34) 7.8,11.35 6.71,11.35 arc(6.5,11.4) 6.32,11.52 arc(6.2,11.7) 6.15,11.91 6.15,16.49 arc(6.08,16.85) 5.87,17.16 5.7,17.34 arc(5.58,17.42) 5.44,17.44 5.38,17.44 arc(5.3,17.46) 5.23,17.5 arc(5.19,17.57) 5.17,17.65 U$2.4
/SEG21: length 10.2
  Top w0.089: 8.19,10.75 8.1,10.75 arc(8.02,10.77) 7.96,10.82 7.84,10.93 arc(7.65,11.06) 7.43,11.1 6.73,11.1 arc(6.44,11.16) 6.2,11.32 arc(6.03,11.57) 5.98,11.85 5.98,16.39 arc(5.91,16.72) 5.72,17.01 5.7,17.03 arc(5.44,17.2) 5.12,17.27 5.01,17.27 arc(4.8,17.31) 4.62,17.43 arc(4.51,17.6) 4.46,17.81 U$2.3
/SEG22: length 11.1
  Top w0.089: 8.19,10.25 8.14,10.25 arc(8.1,10.26) 8.06,10.29 7.8,10.55 arc(7.47,10.77) 7.09,10.85 6.74,10.85 arc(6.38,10.92) 6.07,11.12 arc(5.87,11.43) 5.8,11.79 5.8,16.3 arc(5.74,16.6) 5.57,16.86 arc(5.31,17.03) 5.01,17.09 4.55,17.09 arc(4.25,17.15) 3.99,17.32 arc(3.82,17.58) 3.76,17.88 U$2.2
/SEG23: length 12.5
  Top w0.089: U$2.1 3.05,18.01 arc(3.13,17.61) 3.36,17.27 3.38,17.24 arc(3.75,17) 4.18,16.91 4.88,16.91 arc(5.16,16.86) 5.4,16.69 arc(5.56,16.45) 5.62,16.17 5.62,11.8 arc(5.73,11.26) 6.03,10.81 7.28,9.56 arc(7.62,9.33) 8.01,9.25 U1.44
/SWCLK_LIGHT: length 31.3
  Top w0.127: 1.13,17.85 1.13,17.17 arc(1.09,17) 0.99,16.85 0.85,16.71 ; TP8.P$1 7.37,22.58 arc(7.28,22.1) 7,21.69 6.77,21.45 arc(6.1,21.01) 5.3,20.85 5.01,20.85 arc(3.95,20.64) 3.05,20.03 2.41,19.39 arc(2.11,18.94) 2,18.41 arc(1.89,17.88) 1.59,17.43 0.87,16.71 ; U1.57 13.09,7.29 arc(13.08,7.3) 13.07,7.31 v1(13.06,7.33)
  In1.Cu w0.127: v1(2.8,9.14) 2.95,9.14 arc(3.09,9.11) 3.21,9.03 4.1,8.14 arc(5.21,7.4) 6.51,7.14 12.74,7.14 arc(12.86,7.16) 12.97,7.23 v1(13.06,7.33)
  In2.Cu w0.127: 0.87,16.71 0.67,15.92 arc(0.67,15.91) 0.67,15.9 arc(0.67,15.9) 0.67,15.89 1.36,15.21 arc(1.87,14.45) 2.04,13.55 2.04,10.43 arc(2.14,9.93) 2.42,9.51 v1(2.8,9.14)
/SWDIO_MODE: length 18.6
  Top w0.127: 0.73,7.6 0.88,6.94 arc(0.97,6.7) 1.13,6.49 1.14,6.48 arc(1.27,6.29) 1.31,6.06 arc(1.36,5.83) 1.49,5.63 2.64,4.49 arc(2.83,4.36) 3.06,4.31 TP9.P$1 ; U1.58 13.59,7.26 arc(13.59,7.27) 13.59,7.28 v1(13.6,7.29)
  In1.Cu w0.127: v1(5.34,6.6) 5.46,6.71 arc(5.59,6.8) 5.74,6.83 12.82,6.83 arc(13.12,6.89) 13.37,7.06 v1(13.6,7.29)
  In2.Cu w0.127: v1(5.34,6.6) 4.84,7.1 arc(4.28,7.47) 3.63,7.6 0.72,7.6
/TEMPSENSE: length 8.1
  Top w0.127: v1(16.12,8.53) 16.23,8.64 arc(16.36,8.73) 16.5,8.75 16.98,8.75 ; v1(14.32,4.31) 14.32,4.66 arc(14.36,4.85) 14.47,5.01 arc(14.63,5.11) 14.82,5.15 R10.2
  In1.Cu w0.127: v1(16.12,8.53) 15.8,8.2 arc(15.72,8.09) 15.69,7.95 arc(15.66,7.81) 15.58,7.7 14.87,6.99 arc(14.38,6.25) 14.21,5.37 14.21,4.51 arc(14.22,4.43) 14.27,4.37 v1(14.32,4.31)
/USB_N: length 15.6
  Top w0.203: U1.45 8.44,8.76 arc(8.44,8.76) 8.45,8.76 v1(9.06,8.76) ; v1(11.61,21) 11.58,21.03 arc(11.56,21.06) 11.55,21.09 U$2.USB_N
  In2.Cu w0.203: v1(9.06,8.76) 10,9.69 arc(10.69,10.73) 10.93,11.95 10.93,16.45 arc(11.03,16.98) 11.33,17.42 arc(11.63,17.86) 11.73,18.38 11.73,20.79 arc(11.71,20.87) 11.67,20.94 v1(11.61,21)
/USB_P: length 16.3
  Top w0.203: U$2.USB_P 12.2,21.09 arc(12.19,21.06) 12.17,21.03 v1(12.14,21) ; v1(9.77,8.82) 9.48,8.53 arc(9.18,8.33) 8.82,8.25 U1.46
  In2.Cu w0.203: v1(9.77,8.82) 10.5,9.55 arc(11.04,10.36) 11.23,11.32 11.23,16.27 arc(11.35,16.86) 11.69,17.37 arc(12.03,17.87) 12.14,18.46 v1(12.14,21)
/VLCD: length 14.1
  Top w0.203: v1(9.43,16.39) 9.95,16.9 arc(10.01,16.94) 10.08,16.96 10.15,16.96 ; v1(13.56,16.19) 13.57,16.17 arc(13.58,16.16) 13.59,16.14 U1.23
  In1.Cu w0.203: v1(9.43,16.39) 9.53,16.29 arc(9.64,16.21) 9.77,16.19 v1(13.56,16.19)
  In2.Cu w0.203: v1(13.56,16.19) 13.56,16.52 arc(13.62,16.83) 13.79,17.09 16.04,19.34 arc(16.77,20.43) 17.03,21.71 v1(17.03,23.11)
/XIN32: length 3.8
  Top w0.127: U1.1 17.47,7.25 arc(17.7,7.21) 17.89,7.08 18.52,6.45 arc(18.68,6.34) 18.87,6.3 19.04,6.3 arc(19.07,6.31) 19.1,6.33 arc(19.12,6.35) 19.15,6.35 20.72,6.35
/XOUT32: length 3.9
  Top w0.127: U1.2 17.48,7.75 arc(17.71,7.8) 17.9,7.93 18.53,8.56 arc(18.69,8.67) 18.88,8.7 18.89,8.7 arc(19.06,8.74) 19.21,8.84 arc(19.35,8.94) 19.53,8.97 20.72,8.97
/~{BLUE}: length 10.7
  Top w0.127: v1(12,14.66) 10.78,14.66 arc(10.51,14.71) 10.29,14.86 10.2,14.94 arc(10.12,15.07) 10.09,15.23 U1.30 ; 4.96,14.98 4.96,15.51 arc(4.99,15.68) 5.09,15.82 5.21,15.94 arc(5.21,15.94) v1(5.21,15.94)
  In1.Cu w0.127: v1(12,14.66) 7.41,14.66 arc(6.57,14.82) 5.86,15.3 v1(5.21,15.95)
/~{GREEN}: length 8.4
  Top w0.127: v1(7.12,10.38) 7.5,10 arc(7.77,9.82) 8.09,9.75 U1.43 ; v1(3.11,14.09) 2.98,14.09 arc(2.86,14.11) 2.76,14.18 2.28,14.66
  In1.Cu w0.127: v1(7.12,10.38) 6.65,10.38 arc(6.22,10.47) 5.85,10.71 3.33,13.23 arc(3.17,13.48) 3.11,13.77 v1(3.11,14.09)
/~{LS_ENABLE}: length 9.5
  Top w0.127: U1.49 9.09,5.96 arc(9.08,5.92) 9.05,5.89 v1(9.02,5.86) ; v1(6.92,13.16) 6.92,12.83 arc(6.96,12.67) 7.05,12.53 Q1.2
  In2.Cu w0.127: v1(9.02,5.86) 9.02,6.81 arc(8.85,7.69) 8.35,8.43 8.26,8.52 arc(7.7,9.37) 7.5,10.37 7.5,12.18 arc(7.42,12.56) 7.21,12.87 v1(6.92,13.16)
/~{RED}: length 10.3
  Top w0.127: U1.29 10.59,15.57 arc(10.62,15.72) 10.7,15.86 11.68,16.83 arc(11.77,16.89) 11.89,16.92 v1(12.01,16.92) ; R7.1 4.63,16.25 arc(4.74,16.27) 4.84,16.34 v1(4.94,16.43)
  In1.Cu w0.127: v1(12.01,16.92) 12,16.93 arc(11.99,16.93) 11.98,16.94 5.8,16.94 arc(5.47,16.87) 5.19,16.68 v1(4.94,16.43)
/~{RESET}: length 21.3
  Top w0.127: v1(10.38,7.54) 10.48,7.44 arc(10.56,7.32) 10.59,7.19 U1.52
  In1.Cu w0.127: v1(10.38,7.54) 10.32,7.49 arc(10.26,7.44) 10.19,7.43 6.94,7.43 arc(5.36,7.75) 4.01,8.64 3.44,9.21 arc(2.97,9.92) 2.8,10.77 v1(2.8,11.68)
  Bottom w0.127: RESET0.B2 15.59,0.56 arc(15.4,0.6) 15.24,0.71 14.4,1.54 arc(14.25,1.77) 14.19,2.04 arc(14.14,2.31) 13.99,2.54 13.3,3.23 arc(13.13,3.34) 12.94,3.38 arc(12.75,3.42) 12.58,3.53 12.09,4.02 arc(11.62,4.72) 11.45,5.56 11.45,5.7 arc(11.31,6.41) 10.92,7 v1(10.38,7.54)
/~{TS_ENABLE}: length 5.3
  Top w0.127: U1.50 9.59,5.96 arc(9.59,5.94) 9.6,5.92 v1(9.62,5.9) ; v1(12.62,4.27) 12.79,4.45 arc(12.92,4.64) 12.96,4.86 R11.2
  In2.Cu w0.127: v1(9.62,5.9) 10.77,4.76 arc(11.3,4.4) 11.93,4.27 v1(12.62,4.27)
Net-(D2A-CR): length 3.4
  Top w0.127: D2.1 0.47,13.94 arc(0.52,14.17) 0.65,14.36 2.53,16.25
Net-(D2B-CG): length 1.1
  Top w0.127: D2.4 1.41,13.69 arc(1.55,13.66) 1.66,13.59 2.17,13.07
Net-(D2C-CB): length 6.2
  Top w0.127: v1(1.3,11.93) 1.29,11.92 arc(1.28,11.9) 1.27,11.88 D2.3 ; v1(2.55,15.44) 2.76,15.44 arc(2.96,15.4) 3.13,15.28 3.34,15.07 arc(3.37,15.04) 3.37,15 3.37,14.95
  In1.Cu w0.127: v1(2.55,15.44) 1.93,14.81 arc(1.47,14.13) 1.3,13.31 v1(1.3,11.93)

## Copper pours and planes (outline as drawn; the poured copper is in the pictures)
GND on Top: 22.5,8.39 22.5,6.99 20.6,5.09 17.41,5.11 17.41,8.12 17.79,8.5 17.79,10.19 20.7,10.19
GND on Bottom, In2.Cu: 9.61,25.3 14.79,25.3 14.79,24.45 17.04,24.45 18.59,23.68 20.89,22.15 24.47,17.85 24.47,9.38 23.45,5.29 20.89,2.23 19.35,0.94 17.04,-0.08 7.36,-0.08 6.07,0.43 3.46,2.26 0.83,5.42 -0.07,9 -0.07,17.03 0.96,19.09 3.26,21.89 4.79,23.17 7.36,24.45 9.61,24.45
VCC on In1.Cu: 9.61,24.45 14.79,24.45 14.79,24.45 17.04,24.45 18.59,23.68 20.89,22.15 24.47,17.85 24.47,9.38 23.45,5.29 20.89,2.23 19.35,0.94 17.04,-0.08 7.36,-0.08 6.07,0.43 3.46,2.26 0.83,5.42 -0.07,9 -0.07,17.03 0.96,19.09 3.26,21.89 4.79,23.17 7.36,24.45 9.61,24.45

## Text on the board
B.Silkscreen: REMOVE / BAT B4 / USING / USB!!! | by joey castillo | IMPORTANT: | A0: PB04 / SDA: PB30/SERCOM1.0 / SCL: PB31/SERCOM1.1 / A1/SCK:PB01/TC3.1/S3.3 / A2/MOSI:PB02/TC2.0/S3.0 / A3/CS: PB03/TC2.1 / A4/MISO: PB00/TC3.0 / /S3.2 | Light Btn: PA30/I10 / Temp Sense: PA03 / TS ~Enable: PB23 / Light Sense: PA04 / LS ~Enable: / PB22 | Light + Sound: / ~Red: PA12/TCC.6 / ~Blue: PA13/TCC.7 / ~Green: PA22/TCC.4 / Piezo: PA27/TCC.5 | Alarm btn: / PA02/ / I2/ / RTC. / IN2 | RESET | CC-BY-SA / 4.0 | 9-Pin connector: | Mode Btn: / PA31/I11
User.Comments: EXTEND GND POUR / IF MANUFACTURING / AT 0.6mm THICKNESS
F.Silkscreen: 3V | SWC | ~{RST} | GND | SWD | SWAT-C1-06 | Sensor Watch Pro!
